# Altium PCB MB1292.PcbDoc (part 2 of 4) (continued)
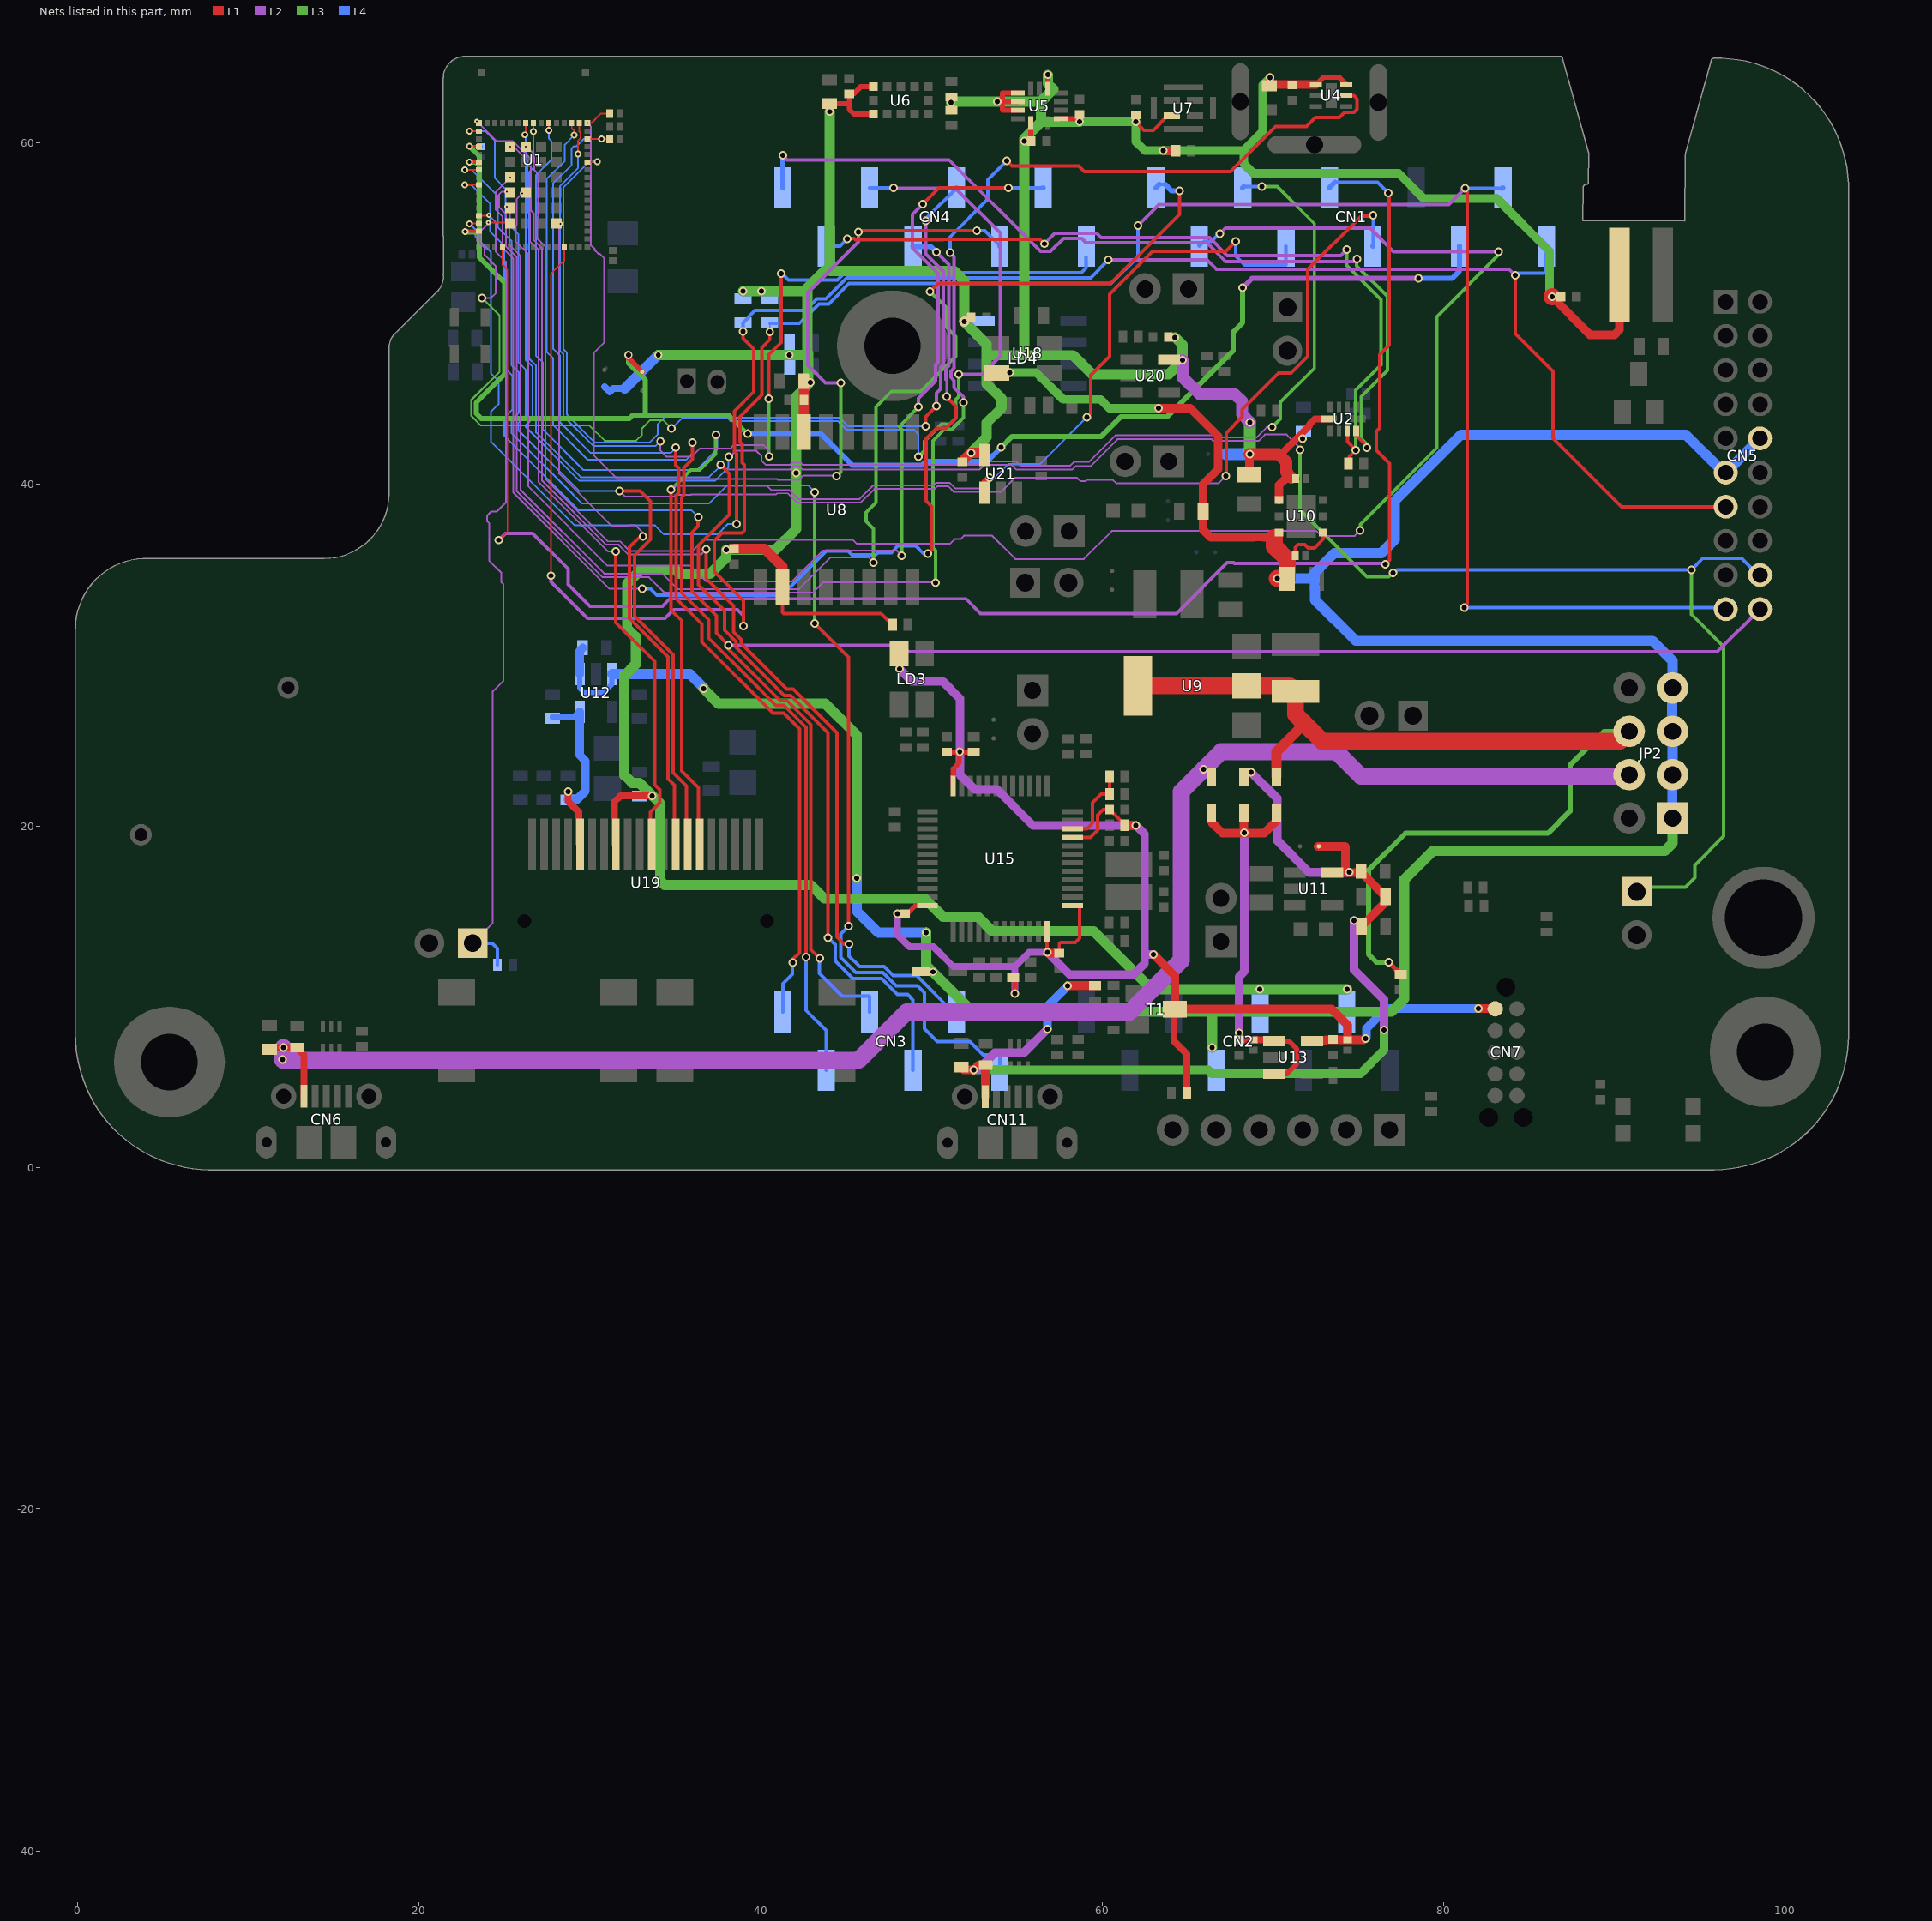
[diagram p4: the nets of this part, all layers, seen from the top]
## Via types
v1: diameter 0.5, hole 0.3, L1 to L4, tented both sides, 847 vias
v2: diameter 0.3, hole 0.1, L1 to L2, tented both sides, 48 vias
v3: diameter 0.4, hole 0.2, L1 to L4, tented both sides, 38 vias
v4: diameter 0.5, hole 0.3, L1 to L4, 4 vias
v5: diameter 0.6, hole 0.3, L1 to L4, tented both sides, 3 vias
v6: diameter 0.3, hole 0.2, L1 to L4, tented both sides, 1 vias
v7: diameter 0.5/0.5/0.5/0.5 (per signal layer), hole 0.3, L1 to L4, tented both sides, 1 vias

## Nets (pads, with @x,y where several pads share a name; then routed paths per layer and width w, separated by ;. In a path a pad name is that pad's centre, name@x,y a point inside that pad or via, vN(x,y) a via of type N, cw(c..) or ccw(c..) an arc to the next point about the centre after c; other vN are vias at no path point)
3V3: C1.2 C3.2 C4.2 C5.2 C6.2 C7.2 C8.2 C9.2 C10.2 C11.2 C12.2 C18.2 C19.2 C36.2 C42.2 C49.1 C52.2 C53.2 CN2.2 CN2.4 LDIR1.1 R8.2 R10.1 R24.2 R44.2 R45.2 R46.2 R47.2 R49.2 SB2.1 SB10.1 U2.10 U4.3 U4.4 U5.1 U5.2 U5.3 U5.5 U5.8 U5.12 U6.1 U6.11 U7.1 U8.2 U8.14 U10.4 U18.8 U19.8 U20.5 U21.5 | length 285.4
  L1 w0.2: U8.2@41.271,33.962 41.271,32.521 41.352,32.44 47.055,32.44 R49.2@47.716,31.779 ; v1(61.96,61.233) 62.45,60.743 62.994,60.743 63.833,61.582 U7.1@64.077,61.582
  L1 w0.3: C8.2@44.033,62.296 45.185,62.296 ; U6.11@46.607,61.688 45.451,61.688 45.185,61.954 45.185,62.296 ; U6.1@46.607,63.288 45.857,63.288 45.43,62.861 C7.2@45.185,62.861 45.185,62.296 ; U5.3@55.068,61.909 54.195,61.909 54.166,61.938 54.166,62.382 ; U5.2@55.068,62.409 54.193,62.409 54.166,62.382 ; U5.1@55.068,62.909 54.166,62.909 54.166,62.382 ; U5.5@55.818,61.159 55.818,60.131 C5.2@55.849,60.1 ; U5.12@56.818,63.159 v1(56.818,63.985) ; U5.8@57.568,61.409 C6.2@58.429,61.409 ; U4.4@72.523,63.417 72.945,63.839 73.881,63.839 U4.3@74.271,63.449
  L1 w0.4: U19.8@31.449,18.98 31.449,21.425 31.797,21.774 v1(33.651,21.774) ; U20.5@63.911,47.297 64.307,47.297 U20.5@64.264,47.34 ; 70.255,41.848 70.551,41.848 72.133,43.43 72.133,43.518 72.455,43.84 U2.10@73.275,43.84
  L1 w0.5: v1(63.568,59.547) 63.575,59.54 R8.2@64.315,59.54 ; C18.2@68.563,40.561 68.624,40.622 v1@68.624,41.777 ; v1(69.822,63.816) 69.822,63.369 69.879,63.426 72.514,63.426 U4.4@72.523,63.417 ; U10.4@70.351,39.09 70.351,39.964 70.739,40.352 71.088,40.352 ; 71.088,40.404 71.14,40.352 C19.2@71.342,40.352 ; v1@86.342,50.984 88.567,48.759 90,48.759 90.296,49.055 LDIR1.1@90.296,52.29
  L1 w0.6: C10.2@38.45,36.239 40.216,36.239 41.271,35.184 U8.2@41.271,33.971 U8.2@41.271,33.962 ; C11.2@42.522,46.048 42.541,46.029 U8.14@42.541,43.071 U8.14@42.541,43.062 ; C53.2@51.894,41.431 v1(52.321,41.858) 52.967,41.858 U21.5@53.102,41.723
  L1 w0.7: v1@68.624,41.777 70.335,41.777 70.775,41.337 70.775,40.717 71.088,40.404
  L1 w1: v1@86.342,50.984 v1(86.351,50.993)
  L2 w0.7: v1(64.711,47.268) 64.711,46.281 65.726,45.266 67.779,45.266 68.188,44.857 68.188,44.11 v1(68.652,43.646)
  L3 w0.254: v1(58.676,61.229) v1@58.68,61.233
  L3 w0.5: v1@58.68,61.233 v1(61.96,61.233) 61.96,60.08 62.493,59.547 v1(63.568,59.547) 68.34,59.547 ; v1(69.822,63.816) 69.397,63.391 69.397,60.681 68.34,59.624 68.34,59.547 ; v1(86.351,50.993) 86.193,51.151 86.193,53.658 83.119,56.733 78.84,56.733 77.358,58.215 68.859,58.215 68.286,58.788 68.286,59.493 68.34,59.547
  L3 w0.6: v1(34.012,47.585) v1(41.676,47.585) 42.738,47.585 42.738,51.5 43.766,52.528 44.047,52.528 ; v1(38.981,51.307) 39.002,51.328 v1(40.048,51.328) 42.54,51.328 ; 42.798,47.645 42.798,45.863 42.087,45.152 v1(42.087,40.675) 42.087,37.397 40.876,36.186 v1(37.991,36.186) 37.991,35.728 37.543,35.28 37.543,35.274 37.04,34.771 35.236,34.771 35.043,34.964 32.945,34.964 32.178,34.197 32.178,31.581 32.683,31.076 32.683,29.474 32.022,28.813 32.022,22.979 32.472,22.529 32.896,22.529 v1(33.651,21.774) 34.125,21.3 34.125,16.795 34.37,16.55 42.922,16.55 43.718,15.754 49.612,15.754 50.668,14.698 52.709,14.698 53.582,13.825 59.511,13.825 62.883,10.453 v1(69.233,10.453) 69.245,10.441 v1(74.346,10.441) ; v1(44.047,61.825) 44.047,52.528 ; v1(51.135,62.356) 51.193,62.414 v1(53.867,62.414) 56.417,62.414 ; v1(52.321,41.858) 53.232,42.769 53.232,43.613 53.249,43.613 54.115,44.479 54.115,45.017 53.241,45.891 53.232,45.891 53.232,47.565 ; v1(56.818,63.985) 56.818,63.467 57.144,63.141 56.417,62.414 ; v1(58.676,61.229) 56.421,61.229 ; v1(64.264,48.617) 64.711,48.17 v1(64.711,47.268) 63.89,46.447 59.418,46.447 58.3,47.565 55.427,47.565 ; 44.047,52.528 44.066,52.509 51.322,52.509 51.916,51.915 v5(51.916,49.536) 53.232,48.22 53.232,47.565 ; 53.232,47.565 55.427,47.565 ; 55.427,47.565 55.447,47.585 v1(55.447,60.116) 55.447,60.255 56.421,61.229 ; 56.417,62.414 56.417,61.233 56.421,61.229
  L3 w0.7: v1(68.652,41.775) v1(68.652,43.646)
  L4 w0.4: SB10.1@30.87,45.724 31.17,45.424 31.365,45.619 32.046,45.619 ; C49.1@32.914,21.759 32.929,21.774 v1(33.651,21.774)
  L4 w0.6: 32.046,45.619 v1(34.012,47.585)
  L4 w0.7: SB2.1@67.251,41.786 SB2.1@67.301,41.786 68.641,41.786 v1(68.652,41.775)
  other v1: 71.734,42.678 42.902,45.967
3V3_STLK: C27.2 C28.2 C37.2 C38.2 C39.2 C40.2 CN7.1 LD3.4 R9.1 R20.2 R23.2 R30.2 T1.3 U13.5 U15.1 U15.9 U15.24 U15.36 U15.48 | length 97.9
  L1 w0.2: v1@56.772,12.623 U15.48@56.772,13.841 ; C40.2@57.486,12.551 57.486,13.101 57.576,13.191 58.421,13.191 58.672,13.442 58.672,15.341 U15.1@58.272,15.341 ; U15.9@58.272,19.341 59.31,19.341 59.737,19.767 59.737,20.631 60.067,20.961 C37.2@60.43,20.961 61.33,20.061 R23.2@61.33,20.046
  L1 w0.3: C39.2@48.662,14.941 49.062,15.341 U15.36@49.772,15.341 ; C38.2@50.923,24.321 v1@51.634,24.321 ; U15.24@51.272,22.341 51.272,23.342 51.634,23.704 v1@51.634,24.321 ; R30.2@52.472,24.321 v1@51.634,24.321 ; R20.2@54.789,11.138 54.885,11.041 v1(54.885,10.191) ; v1@75.313,7.48 75.382,7.548 v1(75.436,7.548) ; CN7.1@83.001,9.31 CN7.1@83.014,9.297
  L1 w0.4: T1.3@64.255,9.278 64.198,9.221 64.198,7.406 64.957,6.647 R9.1@64.957,4.34
  L1 w0.5: v1@56.772,12.623 v1(56.79,12.604) 56.844,12.551 C40.2@57.486,12.551 ; R23.2@61.33,20.046 61.335,20.041 v1(61.971,20.041) ; v1(62.994,12.472) 63.01,12.472 64.255,11.227 T1.3@64.255,9.278 73.447,9.278 74.36,8.365 C28.2@74.36,7.48 ; U13.5@72.278,7.408 73.014,7.408 73.086,7.48 C28.2@74.36,7.48 ; v1@75.313,7.48 C28.2@74.36,7.48 ; v1(82.018,9.31) CN7.1@83.001,9.31
  L2 w0.4: v1(48.002,14.865) 48.002,13.631 48.707,12.926 50.122,12.926 51.285,11.763 54.885,11.763 ; v1(54.885,10.191) 54.885,11.763 ; v1(56.79,12.604) 55.726,12.604 54.885,11.763
  L2 w0.5: v1(48.129,29.19) 48.84,28.479 50.654,28.479 51.664,27.469 51.664,23.013 52.525,22.152 53.835,22.152 55.946,20.041 v1(61.971,20.041) 61.971,20.047 62.483,19.535 62.483,12.448 ; v1(56.79,12.604) 58.098,11.297 61.835,11.297 62.483,11.945 62.483,12.448 ; v1(62.994,12.472) 62.507,12.472 62.483,12.448
  L4 w0.3: v1(75.436,7.548) v1@75.474,7.586
  L4 w0.5: v1@75.474,7.586 75.474,8.149 76.635,9.31 v1(82.018,9.31)
  other v1: 51.662,24.346
3V6_LDO: C24.2 C50.1 U12.5 U19.5 | length 11
  L1 w0.4: v1(28.723,22.028) 28.723,21.443 29.349,20.818 U19.5@29.349,18.98
  L4 w0.4: C24.2@27.834,26.396 29.102,26.396 U12.5@29.399,26.693
  L4 w0.5: C50.1@28.723,21.531 29.217,21.531 29.739,22.053 29.739,23.806 29.399,24.146 U12.5@29.399,26.693
5V: C16.2 C17.2 C22.1 CN2.5 CN5.6 CN5.15 D1.1 JP2.1 JP2.3 JP2.5 JP2.7 LD4.1 R16.2 U10.1 U10.6 U12.1 U12.3 | length 192
  L1 w0.2: C17.2@71.304,35.827 71.304,36.314 71.467,36.477 71.867,36.477 72.064,36.28 72.436,36.28 72.951,36.794 U10.1@72.951,37.19
  L1 w0.5: v1@63.295,44.466 65.149,44.466 66.79,42.825 66.79,40.898 65.911,40.019 R16.2@65.911,38.442 65.911,37.345 66.363,36.893 68.884,36.893 68.917,36.926 69.415,36.926 69.448,36.893 70.086,36.893
  L1 w1: 70.086,36.893 70.086,36.363 70.828,35.621 C16.2@70.828,34.473 70.767,34.534 v1(70.258,34.488)
  L3 w0.5: v1(54.583,46.549) 56.147,46.549 57.717,44.979 59.903,44.979 60.415,44.467 v1(63.295,44.467)
  L3 w0.6: v1(36.651,28.05) 37.536,27.165 43.784,27.165 45.628,25.321 v1(45.628,16.954) ; v1(49.7,13.748) 49.7,11.846 v1(50.085,11.461) 52.42,9.126 66.429,9.126 ; v1(66.429,7.04) 66.429,9.126 ; JP2.1@93.4,20.466 93.4,19 92.955,18.555 79.382,18.555 77.696,16.869 77.696,9.88 76.942,9.126 66.429,9.126
  L4 w0.3: U12.1@29.399,28.893 29.399,28.083 29.663,27.819 30.806,27.819 31.299,28.312 U12.3@31.299,28.893
  L4 w0.5: U12.1@29.399,28.893 29.399,30.261 C22.1@29.573,30.435
  L4 w0.6: U12.3@31.299,28.893 35.861,28.893 v1@36.677,28.076 ; v1@45.637,16.954 45.637,15.009 46.898,13.748 v1(49.7,13.748) ; v1(70.258,34.488) 72.338,34.488 ; 72.43,34.327 72.43,34.809 73.606,35.985 76.353,35.985 77.125,36.757 77.125,39.022 81.02,42.917 94.173,42.917 96.393,40.697 CN5.6@96.518,40.697 CN5.15@98.518,42.697 ; 72.463,33.954 72.463,33.238 74.857,30.844 92.229,30.844 93.4,29.673 JP2.7@93.4,28.086 ; JP2.5@93.383,25.539 JP2.7@93.383,28.079 ; JP2.1@93.389,20.516 JP2.3@93.389,23.056 ; JP2.3@93.402,22.982 JP2.5@93.402,25.522
5V_INT: C14.1 D7.1 JP2.6 R1.2 U9.2 U9.4 | length 62.4
  L1 w0.3: v1(76.784,12.023) R1.2@77.477,11.33
  L1 w0.6: D7.1@70.202,22.896 70.202,24.347 71.8,25.945 71.8,26.052
  L1 w1: U9.4@62.1,28.208 U9.2@68.45,28.208 70.99,28.208 C14.1@71.32,27.878 71.32,26.532 71.8,26.052 72.886,24.966 90.28,24.966 JP2.6@90.86,25.546
  L3 w0.3: v1(76.784,12.023) 76.063,12.023 75.59,12.496 75.59,17.411 77.758,19.579 86.106,19.579 87.394,20.867 87.394,23.553 89.387,25.546 JP2.6@90.86,25.546
5V_STLK: C26.2 C29.2 D5.2 D6.2 D7.2 U13.1 U13.3 | length 24.3
  L1 w0.3: U13.3@70.078,5.508 70.821,5.508 71.39,6.077 71.39,6.953 70.935,7.408 U13.1@70.078,7.408
  L1 w0.4: C26.2@68.01,7.477 70.009,7.477 U13.1@70.078,7.408
  L1 w0.5: D5.2@66.4,20.756 66.4,20.225 67.041,19.584 v1@68.302,19.584 ; v1@68.301,19.585 D6.2@68.301,20.756 ; v1@68.344,19.584 69.491,19.584 70.202,20.295 D7.2@70.202,20.756
  L2 w0.5: v1(68.01,7.891) 68.01,11.175 68.325,11.49 v1(68.325,19.603)
5V_USB_MCU: C2.1 CN6.1 D5.1 JP2.4 U3.1 | length 98.2
  L1 w0.4: C2.1@11.226,6.929 11.323,7.026 v1(12.061,7.026) U3.1@12.848,7.026 13.266,6.608 CN6.1@13.266,4.179
  L2 w1: v1(12.061,7.026) 11.999,6.964 v1(11.999,6.336) 11.999,6.33 12.061,6.268 45.708,6.268 48.55,9.11 61.602,9.11 64.626,12.134 64.626,22.016 v1(65.936,23.326) 66.969,24.359 73.722,24.359 75.156,22.925 90.779,22.925 JP2.4@90.86,23.006
5V_USB_STLK: C20.2 C41.1 CN11.1 D6.1 R14.2 R15.2 R50.2 SB3.1 U11.5 U16.1 | length 64.4
  L1 w0.5: C41.1@51.736,5.884 51.899,5.721 v1(52.472,5.721) 52.762,6.01 U16.1@53.184,6.01 53.149,5.976 CN11.1@53.149,4.157 ; v1@74.252,17.271 75.149,17.271 75.167,17.289 R15.2@76.592,15.864 76.592,15.537 R14.2@75.192,14.137
  L1 w0.512: v1(57.977,10.639) 57.992,10.654 R50.2@59.575,10.654 ; SB3.1@72.634,18.81 74.222,18.81 74.252,18.78 v1@74.252,17.271
  L2 w0.512: v1(52.472,5.721) 52.71,5.721 53.71,6.721 55.407,6.721 v1(56.796,8.11) ; v1(68.723,23.141) 70.236,21.628 70.236,19.166 72.114,17.288 v1(74.46,17.288) ; v1(74.748,14.453) 74.748,11.591 76.502,9.837 v1(76.502,8.068)
  L3 w0.512: v1(52.472,5.721) 66.202,5.721 66.43,5.493 75.108,5.493 76.502,6.887 v1(76.502,8.068)
  L4 w0.512: v1(56.796,8.11) 56.796,9.458 v1(57.977,10.639)
AIN_1: R26.2 R27.2 U15.10 | length 4.7
  L1 w0.2: U15.10@58.272,19.841 59.099,19.841 59.432,20.173 59.432,21.367 59.94,21.875 R26.2@60.43,21.875 R27.2@60.43,22.891
ARD.D0_RX: CN4.1 U2.4 | length 52.6
  L1 w0.2: U2.4@74.875,43.14 74.875,42.889 75.505,42.259 v1(75.505,42.165)
  L2 w0.2: v1(41.294,59.279) 41.562,59.011 51.034,59.011 56.403,53.642 56.983,53.642 57.746,54.405 58.806,54.405 59.067,54.144 66.143,54.144 67.227,53.06 74.786,53.06 v1(74.928,53.202)
  L3 w0.1: v1@74.907,53.223 v1(74.928,53.202)
  L3 w0.2: v1@74.907,53.223 74.907,52.804 76.695,51.016 76.695,46.664 75.163,45.132 75.163,42.688 75.505,42.346 v1(75.505,42.165)
  L4 w0.3: v1(41.294,59.279) 41.294,57.388 CN4.1@41.303,57.379
ARD.D1_TX: CN4.2 R53.2 U2.3 | length 47.2
  L1 w0.2: v1(45.076,54.375) 45.104,54.403 45.482,54.403 45.544,54.341 50.679,54.341 50.693,54.355 56.352,54.355 v1(56.615,54.092) ; U2.3@74.375,43.14 74.375,42.495 v1(74.855,42.015) 74.466,41.626 74.466,41.281 R53.2@74.415,41.23
  L2 w0.2: v1(56.615,54.092) 57.228,54.705 59.686,54.705 59.943,54.448 66.28,54.448 67.316,53.412 73.97,53.412 v1(74.322,53.764)
  L3 w0.2: v1(74.322,53.764) 74.322,52.827 76.334,50.815 76.334,46.989 74.855,45.51 v1(74.855,42.015)
  L4 w0.2: CN4.2@43.843,53.95 44.651,53.95 v1(45.076,54.375)
ARD.D2_IO: CN4.3 U1.66 | length 69.7
  L1 w0.1: v2(24.051,55.341) 25.282,55.341 U1.66@25.34,55.283
  L2 w0.1: v1@23.765,50.91 24.201,50.91 24.474,51.183 24.474,52.799 23.842,53.431 23.842,53.851 23.545,54.148 23.545,54.764 24.051,55.27 v2(24.051,55.341)
  L2 w0.2: v1@47.791,57.257 v1(47.791,57.379) 47.816,57.355 51.394,57.355 54.025,54.724 54.025,47.513 52.957,46.445 v1(51.595,46.445) v1@51.595,46.512
  L3 w0.1: v1(23.679,50.918) 24.708,49.889 24.708,46.596 23.053,44.941 23.053,44.026 23.628,43.451 29.975,43.451 30.862,42.564 32.714,42.564 33.054,42.904 33.054,43.284 33.539,43.769 34.292,43.769 v1(34.787,43.274)
  L3 w0.2: v1(49.24,41.633) 49.593,41.986 49.593,42.525 50.603,43.535 51.064,43.535 51.421,43.892 51.421,44.97 51.595,45.144 v1(51.595,46.445)
  L4 w0.1: v1@34.79,43.27 35.438,43.918 38.032,43.918 38.228,43.722 44.518,43.722 45.021,43.219 48.976,43.219 49.24,42.955 v1(49.24,41.633)
  L4 w0.2: CN4.3@46.383,57.379 v1(47.791,57.379)
ARD.D3_TIM: CN4.4 U1.63 | length 68.8
  L1 w0.2: v1(49.786,35.942) 50.014,36.17 50.014,38.718 49.699,39.033 49.699,42.687 50.288,43.276 50.844,43.276 51.434,43.866 51.434,44.585 50.895,45.124 v1(50.895,45.137)
  L2 w0.1: v2(25.34,57.983) 24.472,57.115 24.472,56.111 24.876,55.707 24.876,53.869 25.514,53.231 25.514,39.52 31.146,33.888 31.152,33.894 v1(33.077,33.894)
  L2 w0.2: v1(50.304,53.597) 51.031,52.87 51.031,46.942 50.845,46.756 50.845,46.134 50.908,46.071 50.908,45.224 50.821,45.137 v1(50.895,45.137)
  L4 w0.2: v1(33.077,33.894) 33.549,33.894 33.927,33.516 41.251,33.516 43.848,36.113 45.118,36.113 45.348,35.883 46.724,35.883 46.851,36.01 47.656,36.01 48.039,36.393 49.077,36.393 49.528,35.942 v1(49.786,35.942)
  L4 w0.3: CN4.4@48.923,53.95 48.957,53.916 49.985,53.916 v1(50.304,53.597)
ARD.D4_IO: CN4.5 U1.42 | length 55.1
  L1 w0.1: U1.42@29.865,58.883 v3@30.42,58.883
  L1 w0.2: v3@30.42,58.883 v3(30.429,58.892) ; v1(49.663,43.419) 49.663,43.961 v1(50.296,44.594)
  L2 w0.2: v1@49.676,55.414 49.676,53.492 50.701,52.467 50.701,47.036 50.545,46.88 50.545,45.595 50.296,45.346 v1(50.296,44.594)
  L4 w0.1: v3(30.429,58.892) 29.952,58.892 28.459,57.399 28.459,47.903 28.65,47.712 28.65,44.089 30.287,42.452 33.481,42.452 33.978,42.949 33.978,43.543 34.553,44.118 38.115,44.118 38.311,43.922 44.601,43.922 45.104,43.419 v1(49.663,43.419)
  L4 w0.2: v1@49.67,55.558 CN4.5@51.463,57.351
  L4 w0.3: v1(49.67,55.443) v1@49.67,55.558 ; CN4.5@51.463,57.351 CN4.5@51.463,57.379
ARD.D5_TIM: C55.2 CN4.6 U1.47 | length 62.2
  L1 w0.1: v2(29.865,61.158) 30.083,61.158 30.626,61.701 C55.2@31.123,61.701
  L1 w0.2: v1(45.73,54.791) 45.792,54.853 v1(52.665,54.853)
  L2 w0.1: v2(29.865,61.158) 30.054,60.969 30.054,54.022 30.283,53.793 30.283,53.718 30.488,53.513 30.563,53.513 30.842,53.234 30.842,48.316 30.245,47.719 30.245,41.699 31.63,40.314 40.976,40.314 41.01,40.28 41.916,40.28 41.921,40.275 42.253,40.275 42.504,40.526 44.411,40.526 v1(44.451,40.486)
  L2 w0.2: v1(44.686,45.946) 43.802,45.946 42.766,46.982 42.766,51.242 45.73,54.206 v1(45.73,54.791)
  L3 w0.2: v1(44.451,40.486) 44.686,40.721 v1(44.686,45.946)
  L4 w0.2: v1(52.665,54.853) 53.138,54.853 CN4.6@54.003,53.988
  L4 w0.3: CN4.6@54.003,53.95 CN4.6@54.003,53.988
ARD.D6_TIM: CN4.7 U1.79 | length 72.6
  L1 w0.2: v1(49.479,56.404) 50.451,57.376 v1(54.518,57.376)
  L2 w0.1: v2(26.043,57.05) 25.704,56.711 25.704,55.198 25.676,55.169 25.676,54.2 26.395,53.481 26.395,39.885 31.034,35.246 35.885,35.246 36.808,34.323 41.839,34.323 43.653,36.137 44.79,36.137 44.794,36.133 47.959,36.133 v1(48.257,35.835)
  L2 w0.2: v1(49.25,44.53) 49.25,45.045 50.245,46.04 50.245,47.004 50.401,47.16 50.401,52.343 48.88,53.864 48.88,55.805 v1(49.479,56.404)
  L3 w0.2: v1(48.257,35.835) 48.257,43.241 48.109,43.389 v1(49.25,44.53)
  L4 w0.2: v1(54.518,57.376) CN4.7@56.54,57.376
  L4 w0.3: CN4.7@56.54,57.376 CN4.7@56.543,57.379
ARD.D7: CN4.8 U1.48 | length 62.1
  L1 w0.1: v3(29.295,59.35) 29.295,60.12 29.451,60.276 29.451,60.599 29.39,60.66 U1.48@29.39,61.158
  L1 w0.2: v1(40.484,45.023) 40.484,47.593 41.208,48.317 v1(41.208,52.346)
  L2 w0.1: v1(34.136,42.535) 34.136,41.986 34.5,41.622 35.949,41.622 36.429,42.102 38.231,42.102 38.436,42.307 40.152,42.307 40.505,41.954 v1(40.505,41.64)
  L3 w0.1: v1@40.484,41.619 v1(40.505,41.64)
  L3 w0.2: v1@40.484,41.619 v1(40.484,45.023)
  L4 w0.1: v3(29.295,59.35) 29.295,58.517 28.259,57.481 28.259,47.82 28.45,47.629 28.45,44.007 30.212,42.245 33.846,42.245 v1(34.136,42.535)
  L4 w0.2: v1@41.262,52.346 41.633,51.975 44.5,51.975 44.923,52.398 58.786,52.398 59.058,52.67 CN4.8@59.058,53.298
  L4 w0.3: v1(41.208,52.346) v1@41.262,52.346
ARD.D8: CN1.1 U1.65 | length 80.2
  L1 w0.2: v1(49.921,51.294) 50.387,51.76 60.479,51.76 64.529,55.81 v1(64.529,57.184)
  L2 w0.1: v2(25.124,56.254) 25.272,56.106 25.272,56.091 25.304,56.059 25.304,55.363 25.276,55.335 25.276,54.035 25.93,53.381 25.93,39.692 30.841,34.781 34.247,34.781 35.148,33.88 42.254,33.88 44.111,35.737 44.625,35.737 44.629,35.733 46.309,35.733 v1@46.61,35.432
  L3 w0.2: v1(46.61,35.418) 46.61,37.409 46.173,37.846 46.173,38.373 46.75,38.95 46.75,44.536 47.669,45.455 49.373,45.455 51.423,47.505 51.423,48.645 50.887,49.181 50.887,50.328 v1(49.921,51.294)
  L4 w0.2: CN1.1@63.342,57.575 63.682,57.575
  L4 w0.3: CN1.1@63.147,57.379 CN1.1@63.342,57.575 ; 63.682,57.575 64.073,57.184 v1(64.529,57.184)
ARD.D9_TIM: CN1.2 U1.76 | length 109.8
  L2 w0.1: v2(26.24,59.783) 26.295,59.783 26.743,59.335 26.743,58.405 26.958,58.19 26.958,55.682 26.913,55.637 26.913,54.405 27.154,54.164 27.154,54.161 27.405,53.91 27.405,40.303 31.04,36.668 31.77,36.668 32.341,36.097 35.992,36.097 36.644,36.749 45.401,36.749 45.617,36.533 51.106,36.533 51.37,36.797 51.702,36.797 51.902,36.997 53.558,36.997 54.92,35.635 58.927,35.635 60.571,37.279 72.55,37.279 72.842,36.987 74.789,36.987 v1(75.105,37.303)
  L2 w0.2: v1(66.881,54.677) 67.203,54.999 75.697,54.999 77.06,53.636 v1(83.216,53.636)
  L3 w0.2: v1(75.105,37.303) 75.118,37.316 75.118,37.668 79.591,42.142 79.591,49.818 83.216,53.443 v1(83.216,53.636)
  L4 w0.2: CN1.2@65.67,53.968 CN1.2@65.687,53.95 65.959,54.223 66.378,54.223 66.846,54.69 66.859,54.677 v1(66.881,54.677)
ARD.D10_SPI1_NSS_TIM: CN1.3 U1.55 | length 84.1
  L1 w0.1: v3(26.196,60.47) 26.24,60.514 U1.55@26.24,61.158
  L2 w0.1: v1(38.139,41.619) 38.197,41.619 38.556,41.978 39.735,41.978 40.059,41.654 40.059,41.398 40.297,41.16 41.723,41.16 41.838,41.275 42.336,41.275 42.451,41.16 52.823,41.16 53.008,41.345 54.973,41.345 55.222,41.096 58.125,41.096 58.36,41.331 59.235,41.331 60.794,42.89 66.487,42.89 66.631,42.746 69.025,42.746 69.629,43.35 v1(69.943,43.35)
  L3 w0.2: v1(69.355,57.442) 70.254,57.442 72.425,55.271 72.425,46.805 70.434,44.814 70.434,43.841 v1(69.943,43.35)
  L4 w0.1: v3(26.196,60.47) 26.24,60.426 26.24,47.293 26.65,46.883 26.65,43.87 26.24,43.46 26.24,43.361 29.375,40.226 31.478,40.226 31.479,40.227 31.977,40.227 31.978,40.226 37.236,40.226 37.344,40.226 38.113,40.995 38.113,41.008 38.124,41.019 38.124,41.619 v1(38.139,41.619)
  L4 w0.2: CN1.3@68.289,57.442 v1(69.355,57.442)
  L4 w0.3: CN1.3@68.227,57.379 CN1.3@68.289,57.442
ARD.D11_SPI1_MOSI_TIM: CN1.4 U1.52 U19.15 U21.1 | length 107.3
  L1 w0.1: v3(27.59,60.726) U1.52@27.59,61.158 ; U21.1@53.102,39.523 U21.1@53.102,40.095
  L1 w0.2: v1(34.751,39.694) 34.751,32.641 35.369,32.023 35.369,23.227 36.349,22.247 U19.15@36.349,18.98 ; v1(59.106,43.935) 59.333,44.162 59.333,46.4 60.436,47.503 60.436,51.152 62.947,53.663 67.246,53.663 v1(67.81,54.227)
  L1 w0.4: U21.1@53.102,40.095 v1(53.411,40.404)
  L2 w0.1: v1(34.751,39.694) 34.971,39.914 40.391,39.914 40.625,39.68 41.668,39.68 42.2,39.148 44.222,39.148 44.225,39.151 45.385,39.151 45.388,39.148 45.79,39.148 46.576,39.934 50.103,39.934 50.256,40.087 51.084,40.087 51.406,39.765 53.395,39.765 53.411,39.781 v1(53.411,40.404)
  L3 w0.2: v1(34.751,39.694) 35.907,40.85 36.444,40.85 37.371,41.777 37.371,42.908 v1(37.381,42.918) v1@37.381,43.056
  L4 w0.1: v3(27.59,60.726) 27.59,60.26 27.752,60.098 27.752,59.025 26.84,58.113 26.84,47.542 27.25,47.132 27.25,43.224 29.631,40.843 36.238,40.843 37.452,42.057 v1@37.452,43.09 ; v1(53.411,40.404) 53.729,40.404 54.533,41.208 56.375,41.208 59.106,43.939 v1(59.106,43.935)
  L4 w0.2: v1(67.81,54.227) 67.81,53.384 68.339,52.855 70.767,52.855 CN1.4@70.767,53.95
ARD.D12_SPI1_MISO: CN1.5 U1.20 | length 100.1
  L1 w0.1: v1(24.663,36.744) 25.174,37.255 25.174,52.566 24.89,52.85 U1.20@24.89,53.908
  L1 w0.2: v1(76.586,35.335) 76.837,35.586 76.837,41.218 76.043,42.012 76.043,43.101 76.258,43.316 76.258,47.602 76.806,48.15 v1@76.806,57.071
  L2 w0.2: v1(24.663,36.744) 25.054,37.135 26.647,37.135 28.721,35.061 28.721,34.149 30.007,32.863 34.245,32.863 34.686,33.304 52.026,33.304 52.882,32.448 64.357,32.448 67.324,35.415 67.697,35.415 67.738,35.374 76.625,35.374 v1(76.586,35.335)
  L4 w0.2: CN1.5@73.632,57.704 76.134,57.704 v1(76.767,57.071)
  L4 w0.3: CN1.5@73.307,57.379 CN1.5@73.632,57.704
ARD.D13_SPI1_SCK: CN1.6 U1.2 U19.14 | length 110
  L1 w0.1: v3@22.95,60.683 U1.2@23.515,60.683
  L1 w0.2: v3(22.944,60.689) v3@22.95,60.683 ; v1(31.728,39.627) 32.955,39.627 33.558,39.024 33.558,36.774 32.627,35.843 32.627,32.276 34.874,30.029 34.874,23.112 35.649,22.337 U19.14@35.649,18.98 ; v1(67.251,40.498) 67.261,40.508 67.261,43.018 68.198,43.955 68.198,44.38 70.331,46.513 71.052,46.513 72.045,47.506 72.045,52.592 75.166,55.713 75.808,55.713 v1(75.865,55.77)
  L2 w0.1: v1(31.728,39.627) 32.061,39.294 34.917,39.294 35.012,39.389 35.921,39.389 35.938,39.406 40.882,39.406 40.956,39.48 41.585,39.48 42.117,38.948 44.305,38.948 44.308,38.951 45.302,38.951 45.305,38.948 45.873,38.948 46.659,39.734 50.186,39.734 50.339,39.887 51.001,39.887 51.323,39.565 54.077,39.565 54.909,40.397 58.52,40.397 58.72,40.197 59.052,40.197 59.124,40.269 60.632,40.269 60.821,40.08 66.833,40.08 v1(67.251,40.498)
  L4 w0.1: v3(22.944,60.689) 23.882,60.689 24.421,60.15 24.421,57.953 25.058,57.316 25.058,55.413 25.807,54.664 25.807,47.16 26.25,46.717 26.25,44.036 25.807,43.593 25.807,43.182 29.362,39.627 v1(31.728,39.627)
  L4 w0.2: CN1.6@75.865,53.969 v1(75.865,55.77)
  L4 w0.3: CN1.6@75.847,53.95 CN1.6@75.865,53.969
ARD_ADC.ADC1_IN4: CN3.1 U1.7 | length 80.1
  L1 w0.1: v3(22.677,58.431) 23.513,58.431 U1.7@23.515,58.433
  L1 w0.2: v1(43.172,31.867) 45.156,29.883 45.156,14.126 v1(45.147,14.126)
  L3 w0.1: v1@43.172,31.856 v1(43.172,31.867)
  L3 w0.2: v1(43.172,31.867) v1(43.172,39.548)
  L4 w0.1: v3(22.677,58.431) 23.073,58.431 24.597,56.907 24.597,55.081 25.407,54.271 25.407,46.995 25.85,46.552 25.85,44.201 25.407,43.758 25.407,43.016 29.03,39.393 29.03,39.379 29.515,38.894 36.999,38.894 38.054,39.949 42.771,39.949 v1(43.172,39.548)
  L4 w0.2: v1(45.147,14.126) 44.702,13.681 44.702,12.298 45.58,11.42 47.16,11.42 47.938,10.642 49.18,10.642 49.589,10.233 49.589,8.129 50.335,7.383 52.241,7.383 53.03,6.594 54.003,6.594 CN3.1@54.003,5.69
ARD_ADC.ADC1_IN7: CN3.2 U1.1 | length 70
  L1 w0.2: v1(36.814,36.201) 36.814,34.499 38.413,32.9 38.413,31.364 38.875,30.902 38.875,30.675 41.541,28.009 41.913,28.009 44.46,25.462 44.46,13.501 44.883,13.078 v1(45.168,13.078)
  L2 w0.1: v2(23.385,61.25) 24.534,60.101 25.498,60.101 26.543,59.056 26.543,56.054 26.568,56.029 26.713,55.884 26.713,54.313 27.205,53.821 27.205,40.22 30.957,36.468 31.687,36.468 32.258,35.897 36.51,35.897 v1(36.814,36.201)
  L4 w0.2: v1(45.168,13.078) 45.168,12.384 45.789,11.763 47.242,11.763 47.765,11.24 49.139,11.24 51.259,9.119 CN3.2@51.463,9.119
ARD_ADC.ADC1_IN13: CN3.5 U1.49 | length 69.2
  L1 w0.1: U1.49@28.94,61.158 28.94,60.857 29.073,60.724 v3(29.073,60.447)
  L1 w0.2: v1(36.003,42.445) 35.996,42.438 35.996,41.475 35.501,40.98 35.501,39.383 35.367,39.249 35.367,33.663 36.957,32.073 36.957,30.994 39.289,28.663 40.898,27.053 41.391,27.053 42.649,25.795 v1(42.649,12.326)
  L4 w0.1: v3(29.073,60.447) 28.529,59.903 28.529,58.949 27.459,57.879 27.459,47.771 27.85,47.38 27.85,43.475 29.88,41.445 35.636,41.445 36.003,41.812 v1(36.003,42.445)
  L4 w0.2: v1(42.649,12.326) 42.649,9.222 43.843,8.028 CN3.5@43.843,5.69
ARD_ADC.ADC1_IN14: C54.1 CN3.6 U1.45 | length 64.6
  L1 w0.1: U1.45@29.865,60.233 29.868,60.23 v3(30.679,60.23) 31.153,60.23 C54.1@31.156,60.233
  L1 w0.2: v1(35.039,42.166) 35.039,41.12 35.201,40.958 35.201,39.508 35.051,39.358 35.051,33.327 36.548,31.83 36.548,30.791 40.733,26.606 41.356,26.606 42.275,25.687 42.275,12.588 41.879,12.192 v1(41.879,11.999)
  L4 w0.1: v3(30.679,60.23) 29.637,60.23 29.212,59.805 29.056,59.805 28.929,59.678 28.929,58.717 27.859,57.647 27.859,47.937 28.25,47.546 28.25,43.641 30.046,41.845 34.746,41.845 35.053,42.152 v1(35.039,42.166)
  L4 w0.2: CN3.6@41.303,9.119 41.303,10.77 41.861,11.328 41.861,12.016 v1(41.879,11.999)
AVDD: C25.2 CN1.8 SB6.2 U1.4 U1.6 U1.15 | length 93.6
  L1 w0.2: v3@22.705,54.833 U1.15@23.515,54.833 ; v3(22.948,58.878) 22.953,58.883 U1.6@23.515,58.883 ; v3(22.955,59.798) 22.97,59.783 U1.4@23.515,59.783
  L1 w0.3: v1(32.255,47.57) 32.255,47.411 SB6.2@33.068,46.598
  L2 w0.3: v1(68.223,51.517) 68.771,52.065 v1(78.526,52.065)
  L3 w0.3: v3@22.706,54.808 22.744,54.77 23.392,54.77 ; v3(22.948,58.878) 23.313,58.878 23.527,58.664 ; v3(22.955,59.798) 23.527,59.226 23.527,58.664 ; v1(32.255,47.57) 32.255,47.121 33.246,46.13 33.246,44.069 ; v1(39.236,42.97) 39.236,43.072 39.174,43.01 38.115,44.069 33.246,44.069 ; v1(54.089,42.179) 54.727,42.817 59.943,42.817 61.093,43.967 63.806,43.967 67.673,47.834 67.673,48.928 68.223,49.478 v1(68.223,51.517) ; 23.527,58.664 23.527,54.77 23.527,53.292 25.008,51.811 25.008,46.453 23.353,44.798 23.353,44.15 23.639,43.864 32.31,43.864 32.515,44.069 33.246,44.069
  L4 w0.2: v3(22.955,59.798) 22.966,59.787 C25.2@23.627,59.787
  L4 w0.3: v1@39.256,43.073 39.236,43.053 v1(39.236,42.97) 43.523,42.97 45.36,41.133 49.447,41.133 49.672,41.358 53.268,41.358 v1(54.089,42.179) v1@54.11,42.2 ; v1(78.526,52.065) 80.475,52.065 80.927,52.517 CN1.8@80.927,53.951
  other v3: 22.712,54.814
BOOT0: CN13.1 R54.2 U1.13 | length 47.9
  L1 w0.1: U1.13@23.515,55.733 v2@24.037,55.733
  L1 w0.15: U1.13@23.514,55.734 U1.13@23.515,55.733 ; v2@24.037,55.733 v2(24.073,55.769)
  L2 w0.1: CN13.1@23.142,13.141 24.317,14.316 24.317,27.881 24.939,28.503 24.939,34.154 24.809,34.284 24.809,34.827 24.116,35.52 24.116,37.712 23.981,37.847 23.981,38.179 24.215,38.413 24.547,38.413 25.074,38.94 25.074,53.048 24.476,53.646 24.476,55.366 v2(24.073,55.769)
  L4 w0.2: CN13.1@23.142,13.141 24.281,13.141 24.586,12.836 R54.2@24.586,11.874
COM.ADC1_IN2: CN3.4 CN5.20 U1.9 | length 126.6
  L1 w0.1: v3@22.694,57.533 U1.9@23.515,57.533
  L1 w0.2: v3(22.686,57.541) v3@22.694,57.533 ; v1(36.369,38.079) 36.344,38.054 36.344,37.565 35.974,37.195 35.974,33.753 37.418,32.309 37.418,31.298 v1(38.125,30.591) 38.125,30.349 41.121,27.353 41.538,27.353 42.949,25.942 42.949,12.762 v1(43.455,12.256)
  L2 w0.2: v1(38.125,30.591) 48.239,30.591 48.636,30.194 96.02,30.194 CN5.20@98.52,32.694
  L4 w0.1: v3(22.686,57.541) 23.057,57.541 24.165,56.433 24.165,54.805 24.997,53.973 24.997,46.839 25.45,46.386 25.45,44.367 24.997,43.914 24.997,42.846 29.349,38.494 35.954,38.494 v1(36.369,38.079)
  L4 w0.2: v1(43.455,12.256) 43.443,12.244 43.443,11.369 44.774,10.038 46.36,10.038 46.383,10.015 CN3.4@46.383,9.119
COM.ADC1_IN10: CN3.3 CN5.19 CN15.1 U1.54 | length 165.7
  L1 w0.1: v3(26.692,60.657) U1.54@26.692,61.156
  L1 w0.2: U1.54@26.69,61.158 U1.54@26.692,61.156 ; v1(37.653,41.144) 38.166,40.631 38.166,38.226 36.364,36.424 36.364,34.121 37.882,32.603 37.882,31.47 38.575,30.777 38.575,30.455 41.377,27.653 41.749,27.653 43.949,25.453 v1(43.949,13.461)
  L2 w0.1: v1(37.653,41.144) 37.914,40.883 41.729,40.883 41.921,41.075 42.253,41.075 42.445,40.883 44.282,40.883 44.285,40.886 44.617,40.886 44.62,40.883 52.829,40.883 53.091,41.145 54.695,41.145 54.974,40.866 58.243,40.866 58.462,41.085 59.337,41.085 60.896,42.644 66.402,42.644 66.5,42.546 69.152,42.546 69.536,42.93 70.799,42.93 71.457,42.272 71.457,42.26 71.579,42.137 v1(71.579,42.029)
  L3 w0.2: v1(71.579,42.029) 71.579,38.508 75.499,34.588 76.782,34.588 v1(77.027,34.833) ; CN15.1@91.307,16.153 91.563,16.409 94.154,16.409 94.707,16.962 94.707,17.709 96.395,19.397 96.395,30.514 94.51,32.399 v1(94.51,35.002)
  L4 w0.1: v3(26.692,60.657) 26.692,59.838 26.69,59.836 26.69,58.529 26.44,58.279 26.44,47.376 26.85,46.966 26.85,43.034 29.458,40.426 31.396,40.426 31.397,40.427 32.059,40.427 32.06,40.426 36.978,40.426 v1@37.674,41.122
  L4 w0.2: v1(43.949,13.461) 44.359,13.051 44.359,12.107 45.398,11.068 47.075,11.068 48.01,10.133 48.612,10.133 48.923,9.822 CN3.3@48.923,5.69 ; v1(77.027,34.833) 77.108,34.833 77.277,35.002 v1(94.51,35.002) 95.173,35.665 97.445,35.665 98.413,34.697 CN5.19@98.518,34.697
COM.I2C1_SCL: CN1.10 CN5.7 R24.1 U1.14 | length 116.4
  L1 w0.1: v3@22.964,55.283 U1.14@23.515,55.283
  L1 w0.2: v3(22.951,55.27) v3@22.964,55.283 ; v1(38.603,37.675) 38.589,37.689 38.589,41.805 38.458,41.936 38.458,44.285 39.604,45.431 39.604,47.923 38.963,48.564 v1(38.963,48.954) ; v1(84.185,52.239) 84.185,48.839 86.395,46.629 86.395,42.708 90.406,38.697 CN5.7@96.518,38.697
  L2 w0.2: v1(60.365,53.141) 66.146,53.141 66.677,52.61 83.814,52.61 v1(84.185,52.239)
  L4 w0.1: v3(22.951,55.27) 23.312,54.909 23.312,54.496 24.197,53.611 24.197,46.508 24.65,46.055 24.65,44.698 24.197,44.245 24.197,42.515 29.11,37.602 33.815,37.602 34.338,37.079 37.469,37.079 38.065,37.675 v1(38.603,37.675)
  L4 w0.2: v1(38.963,48.954) R24.1@38.963,49.464 39.677,50.178 42.592,50.178 43.288,50.874 43.823,50.874 45.047,52.098 59.322,52.098 v1(60.365,53.141) ; v1(84.185,52.239) 84.266,52.239 84.4,52.373 85.86,52.373 86.007,52.52 CN1.10@86.007,53.951
COM.I2C1_SDA: CN1.9 CN5.10 R44.1 U1.28 | length 141.2
  L1 w0.1: v1(27.721,34.659) 27.721,34.646 v1@27.717,34.642 ; U1.28@28.49,53.908 28.49,53.109 27.717,52.336 v1@27.717,34.642 ; v1@27.717,34.642 27.69,34.615 27.717,34.588 v1@27.717,34.642
  L1 w0.2: v1@38.993,31.713 38.993,33.178 37.283,34.888 37.283,36.704 37.732,37.153 38.91,37.153 39.053,37.296 39.053,41.145 38.917,41.281 38.917,42.361 38.786,42.492 38.786,43.961 40.068,45.243 40.068,48.002 40.539,48.473 v1(40.539,48.936) ; v1(81.198,32.786) 81.198,32.867 81.377,33.046 81.377,57.121 81.246,57.252 v1(81.246,57.333)
  L2 w0.2: v1(27.721,34.659) 27.721,34.3 29.851,32.17 34.401,32.17 34.902,32.671 38.635,32.671 39.001,32.305 v1(39.001,31.713) ; v1(62.087,55.148) 63.321,56.382 80.295,56.382 v1(81.246,57.333)
  L4 w0.1: v1(40.539,48.936) R44.1@40.539,49.422
  L4 w0.2: R44.1@40.539,49.422 42.261,49.422 43.413,50.574 43.988,50.574 45.174,51.76 60.513,51.76 62.087,53.334 v1(62.087,55.148) ; v1(81.198,32.786) CN5.10@96.518,32.786 ; v1(81.246,57.333) CN1.9@83.421,57.333
  L4 w0.3: CN1.9@83.421,57.333 CN1.9@83.467,57.379
CS_DISP: U1.61 U19.11 | length 45
  L1 w0.2: v1(31.515,36.068) 31.515,31.913 33.79,29.638 33.79,22.418 34.101,22.107 34.101,21.357 33.549,20.805 U19.11@33.549,18.98
  L2 w0.1: v2(25.34,59.783) 25.533,59.783 26.339,58.977 26.339,58.115 26.343,58.111 26.343,55.971 26.485,55.829 26.489,55.825 26.489,54.245 27.005,53.729 27.005,40.137 31.069,36.073 31.08,36.084 31.096,36.068 v1(31.515,36.068)
D/C_DISP: U1.69 U19.13 | length 40.8
  L1 w0.2: v1@33.108,37.111 32.327,36.33 32.327,32.152 34.574,29.905 34.574,22.758 34.949,22.383 U19.13@34.949,18.98
  L2 w0.1: v2(28.271,55.269) 28.25,55.269 28.205,55.224 28.205,40.634 31.265,37.574 32.265,37.574 32.293,37.602 32.683,37.602 33.108,37.177 v1(33.108,36.96)
DRDY: U1.64 U4.2 | length 96.9
  L1 w0.2: v1(54.415,58.956) 54.724,58.647 58.634,58.647 58.956,58.325 67.507,58.325 70.15,60.968 71.969,60.968 72.483,61.482 73.885,61.482 74.185,61.782 74.736,61.782 74.929,61.975 74.929,62.574 74.736,62.767 U4.2@74.303,62.767
  L2 w0.1: v2(25.128,57.134) 24.83,57.134 24.672,56.976 24.672,56.246 25.076,55.842 25.076,53.952 25.714,53.314 25.714,39.603 30.752,34.565 33.465,34.565 34.35,33.68 43.075,33.68 43.662,34.267 v1@50.228,34.267
  L2 w0.2: v1(51.096,53.584) 51.334,53.346 51.334,46.82 51.145,46.631 51.145,46.259 51.334,46.07 51.334,45.666 51.871,45.129 v1(51.871,44.784) ; v1@51.749,44.784 v1@51.838,44.695
  L3 w0.2: v1(50.236,34.254) 50.236,36.128 50.083,36.281 50.083,42.561 50.757,43.235 51.189,43.235 51.871,43.917 51.871,44.662 v1@51.749,44.784
  L4 w0.2: v1(51.096,53.584) 51.096,54.494 53.311,56.709 53.311,57.852 v1(54.415,58.956)